# KiCad board MAXI030.kicad_pcb (continued)
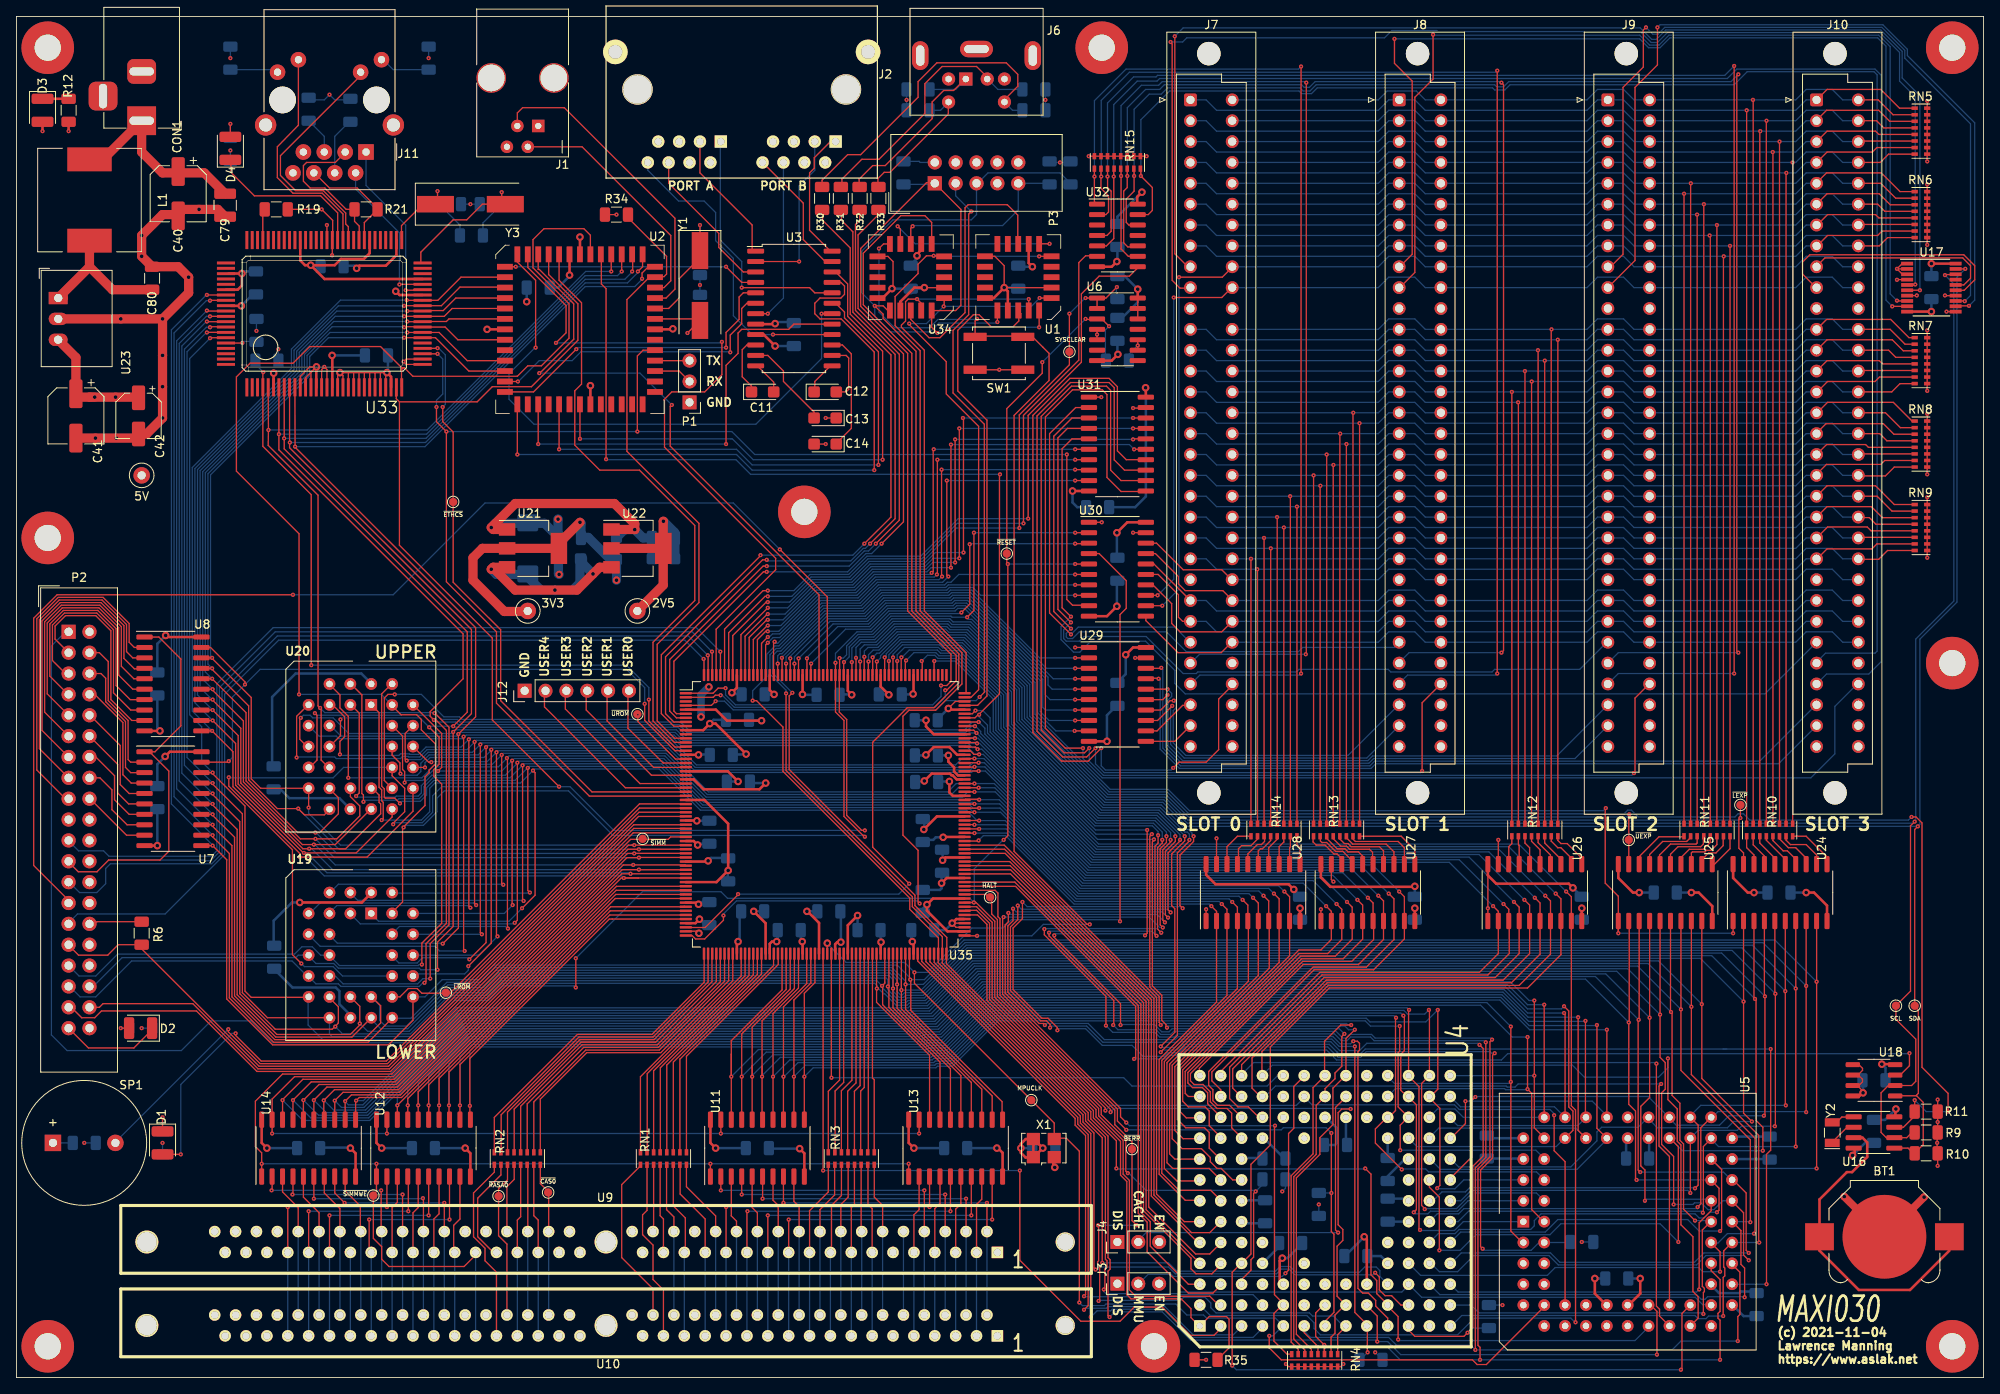
[diagram p0: board, top side]
## Footprints (pads in the part's own frame, mm; a bottom-side part is the same pattern mirrored in y, then rotated) (continued)
PLCC-52
  rect 0.7x1.925 smd: 1(0,9.133) 2(-1.27,9.133) 3(-2.54,9.133) 4(-3.81,9.133) 5(-5.08,9.133) 6(-6.35,9.133) 7(-7.62,9.133) 21(-7.62,-9.133) 22(-6.35,-9.133) 23(-5.08,-9.133) 24(-3.81,-9.133) 25(-2.54,-9.133) 26(-1.27,-9.133) 27(0,-9.133) 28(1.27,-9.133) 29(2.54,-9.133) 30(3.81,-9.133) 31(5.08,-9.133) 32(6.35,-9.133) 33(7.62,-9.133) 47(7.62,9.133) 48(6.35,9.133) 49(5.08,9.133) 50(3.81,9.133) 51(2.54,9.133) 52(1.27,9.133)
  rect 1.925x0.7 smd: 8(-9.133,7.62) 9(-9.133,6.35) 10(-9.133,5.08) 11(-9.133,3.81) 12(-9.133,2.54) 13(-9.133,1.27) 14(-9.133,0) 15(-9.133,-1.27) 16(-9.133,-2.54) 17(-9.133,-3.81) 18(-9.133,-5.08) 19(-9.133,-6.35) 20(-9.133,-7.62) 34(9.133,-7.62) 35(9.133,-6.35) 36(9.133,-5.08) 37(9.133,-3.81) 38(9.133,-2.54) 39(9.133,-1.27) 40(9.133,0) 41(9.133,1.27) 42(9.133,2.54) 43(9.133,3.81) 44(9.133,5.08) 45(9.133,6.35) 46(9.133,7.62)
PLCC-68_THT-Socket
  rect 1.422x1.422 hole 0.8: 1(0,0)
  round 1.422 hole 0.8: 2(0,-2.54) 3(-2.54,0) 4(-2.54,-2.54) 5(-5.08,0) 6(-5.08,-2.54) 7(-7.62,0) 8(-7.62,-2.54) 9(-10.16,0) 10(-12.7,-2.54) 11(-10.16,-2.54) 12(-12.7,-5.08) 13(-10.16,-5.08) 14(-12.7,-7.62) 15(-10.16,-7.62) 16(-12.7,-10.16) 17(-10.16,-10.16) 18(-12.7,-12.7) 19(-10.16,-12.7) 20(-12.7,-15.24) 21(-10.16,-15.24) 22(-12.7,-17.78) 23(-10.16,-17.78) 24(-12.7,-20.32) 25(-10.16,-20.32) 26(-12.7,-22.86) 27(-10.16,-25.4) 28(-10.16,-22.86) 29(-7.62,-25.4) 30(-7.62,-22.86) 31(-5.08,-25.4) 32(-5.08,-22.86) 33(-2.54,-25.4) 34(-2.54,-22.86) 35(0,-25.4) 36(0,-22.86) 37(2.54,-25.4) 38(2.54,-22.86) 39(5.08,-25.4) 40(5.08,-22.86) 41(7.62,-25.4) 42(7.62,-22.86) 43(10.16,-25.4) 44(12.7,-22.86) 45(10.16,-22.86) 46(12.7,-20.32) 47(10.16,-20.32) 48(12.7,-17.78) 49(10.16,-17.78) 50(12.7,-15.24) 51(10.16,-15.24) 52(12.7,-12.7) 53(10.16,-12.7) 54(12.7,-10.16) 55(10.16,-10.16) 56(12.7,-7.62) 57(10.16,-7.62) 58(12.7,-5.08) 59(10.16,-5.08) 60(12.7,-2.54) 61(10.16,0) 62(10.16,-2.54) 63(7.62,0) 64(7.62,-2.54) 65(5.08,0) 66(5.08,-2.54) 67(2.54,0) 68(2.54,-2.54)
PQFP-240_32.1x32.1mm_P0.5mm
  rrect 1.475x0.3 smd: 1(-16.962,14.75) 2(-16.962,14.25) 3(-16.962,13.75) 4(-16.962,13.25) 5(-16.962,12.75) 6(-16.962,12.25) 7(-16.962,11.75) 8(-16.962,11.25) 9(-16.962,10.75) 10(-16.962,10.25) 11(-16.962,9.75) 12(-16.962,9.25) 13(-16.962,8.75) 14(-16.962,8.25) 15(-16.962,7.75) 16(-16.962,7.25) 17(-16.962,6.75) 18(-16.962,6.25) 19(-16.962,5.75) 20(-16.962,5.25) 21(-16.962,4.75) 22(-16.962,4.25) 23(-16.962,3.75) 24(-16.962,3.25) 25(-16.962,2.75) 26(-16.962,2.25) 27(-16.962,1.75) 28(-16.962,1.25) 29(-16.962,0.75) 30(-16.962,0.25) 31(-16.962,-0.25) 32(-16.962,-0.75) 33(-16.962,-1.25) 34(-16.962,-1.75) 35(-16.962,-2.25) 36(-16.962,-2.75) 37(-16.962,-3.25) 38(-16.962,-3.75) 39(-16.962,-4.25) 40(-16.962,-4.75) 41(-16.962,-5.25) 42(-16.962,-5.75) 43(-16.962,-6.25) 44(-16.962,-6.75) 45(-16.962,-7.25) 46(-16.962,-7.75) 47(-16.962,-8.25) 48(-16.962,-8.75) 49(-16.962,-9.25) 50(-16.962,-9.75) 51(-16.962,-10.25) 52(-16.962,-10.75) 53(-16.962,-11.25) 54(-16.962,-11.75) 55(-16.962,-12.25) 56(-16.962,-12.75) 57(-16.962,-13.25) 58(-16.962,-13.75) 59(-16.962,-14.25) 60(-16.962,-14.75) 121(16.962,-14.75) 122(16.962,-14.25) 123(16.962,-13.75) 124(16.962,-13.25) 125(16.962,-12.75) 126(16.962,-12.25) 127(16.962,-11.75) 128(16.962,-11.25) 129(16.962,-10.75) 130(16.962,-10.25) 131(16.962,-9.75) 132(16.962,-9.25) 133(16.962,-8.75) 134(16.962,-8.25) 135(16.962,-7.75) 136(16.962,-7.25) 137(16.962,-6.75) 138(16.962,-6.25) 139(16.962,-5.75) 140(16.962,-5.25) 141(16.962,-4.75) 142(16.962,-4.25) 143(16.962,-3.75) 144(16.962,-3.25) 145(16.962,-2.75) 146(16.962,-2.25) 147(16.962,-1.75) 148(16.962,-1.25) 149(16.962,-0.75) 150(16.962,-0.25) 151(16.962,0.25) 152(16.962,0.75) 153(16.962,1.25) 154(16.962,1.75) 155(16.962,2.25) 156(16.962,2.75) 157(16.962,3.25) 158(16.962,3.75) 159(16.962,4.25) 160(16.962,4.75) 161(16.962,5.25) 162(16.962,5.75) 163(16.962,6.25) 164(16.962,6.75) 165(16.962,7.25) 166(16.962,7.75) 167(16.962,8.25) 168(16.962,8.75) 169(16.962,9.25) 170(16.962,9.75) 171(16.962,10.25) 172(16.962,10.75) 173(16.962,11.25) 174(16.962,11.75) 175(16.962,12.25) 176(16.962,12.75) 177(16.962,13.25) 178(16.962,13.75) 179(16.962,14.25) 180(16.962,14.75)
  rrect 0.3x1.475 smd: 61(-14.75,-16.962) 62(-14.25,-16.962) 63(-13.75,-16.962) 64(-13.25,-16.962) 65(-12.75,-16.962) 66(-12.25,-16.962) 67(-11.75,-16.962) 68(-11.25,-16.962) 69(-10.75,-16.962) 70(-10.25,-16.962) 71(-9.75,-16.962) 72(-9.25,-16.962) 73(-8.75,-16.962) 74(-8.25,-16.962) 75(-7.75,-16.962) 76(-7.25,-16.962) 77(-6.75,-16.962) 78(-6.25,-16.962) 79(-5.75,-16.962) 80(-5.25,-16.962) 81(-4.75,-16.962) 82(-4.25,-16.962) 83(-3.75,-16.962) 84(-3.25,-16.962) 85(-2.75,-16.962) 86(-2.25,-16.962) 87(-1.75,-16.962) 88(-1.25,-16.962) 89(-0.75,-16.962) 90(-0.25,-16.962) 91(0.25,-16.962) 92(0.75,-16.962) 93(1.25,-16.962) 94(1.75,-16.962) 95(2.25,-16.962) 96(2.75,-16.962) 97(3.25,-16.962) 98(3.75,-16.962) 99(4.25,-16.962) 100(4.75,-16.962) 101(5.25,-16.962) 102(5.75,-16.962) 103(6.25,-16.962) 104(6.75,-16.962) 105(7.25,-16.962) 106(7.75,-16.962) 107(8.25,-16.962) 108(8.75,-16.962) 109(9.25,-16.962) 110(9.75,-16.962) 111(10.25,-16.962) 112(10.75,-16.962) 113(11.25,-16.962) 114(11.75,-16.962) 115(12.25,-16.962) 116(12.75,-16.962) 117(13.25,-16.962) 118(13.75,-16.962) 119(14.25,-16.962) 120(14.75,-16.962) 181(14.75,16.962) 182(14.25,16.962) 183(13.75,16.962) 184(13.25,16.962) 185(12.75,16.962) 186(12.25,16.962) 187(11.75,16.962) 188(11.25,16.962) 189(10.75,16.962) 190(10.25,16.962) 191(9.75,16.962) 192(9.25,16.962) 193(8.75,16.962) 194(8.25,16.962) 195(7.75,16.962) 196(7.25,16.962) 197(6.75,16.962) 198(6.25,16.962) 199(5.75,16.962) 200(5.25,16.962) 201(4.75,16.962) 202(4.25,16.962) 203(3.75,16.962) 204(3.25,16.962) 205(2.75,16.962) 206(2.25,16.962) 207(1.75,16.962) 208(1.25,16.962) 209(0.75,16.962) 210(0.25,16.962) 211(-0.25,16.962) 212(-0.75,16.962) 213(-1.25,16.962) 214(-1.75,16.962) 215(-2.25,16.962) 216(-2.75,16.962) 217(-3.25,16.962) 218(-3.75,16.962) 219(-4.25,16.962) 220(-4.75,16.962) 221(-5.25,16.962) 222(-5.75,16.962) 223(-6.25,16.962) 224(-6.75,16.962) 225(-7.25,16.962) 226(-7.75,16.962) 227(-8.25,16.962) 228(-8.75,16.962) 229(-9.25,16.962) 230(-9.75,16.962) 231(-10.25,16.962) 232(-10.75,16.962) 233(-11.25,16.962) 234(-11.75,16.962) 235(-12.25,16.962) 236(-12.75,16.962) 237(-13.25,16.962) 238(-13.75,16.962) 239(-14.25,16.962) 240(-14.75,16.962)
R_1206_3216Metric
  rrect 1.25x1.75 smd: 1(-1.4,0) 2(1.4,0)
R_Cat16-8
  rect 0.76x0.43 smd: 1(-0.76,2.8) 2(-0.76,2) 3(-0.76,1.2) 4(-0.76,0.4) 5(-0.76,-0.4) 6(-0.76,-1.2) 7(-0.76,-2) 8(-0.76,-2.8) 9(0.76,-2.8) 10(0.76,-2) 11(0.76,-1.2) 12(0.76,-0.4) 13(0.76,0.4) 14(0.76,1.2) 15(0.76,2) 16(0.76,2.8)
RJ10
  round 3.6 hole 3.25 unplated: (-0.635,-8.382) (6.985,-8.382)
  rect 1.52x1.52 hole 0.76: 1(1.27,-2.54)
  round 1.52 hole 0.76: 2(2.54,0) 3(3.81,-2.54) 4(5.08,0)
RJ45_Amphenol_RJMG1BD3B8K1ANR
  round 3.25 hole 3.25 unplated: (-1.27,-6.34) (10.16,-6.34)
  round 2.6 hole 1.6: 13(-3.33,-3.29) 13(12.22,-3.29)
  round 1.89 hole 0.89: L1(10.77,-9.72) L2(8.23,-11.24) L3(0.66,-9.72) L4(-1.88,-11.24)
  rect 1.9x1.9 hole 0.9: R1(0,0)
  round 1.9 hole 0.9: R2(1.27,2.54) R3(2.54,0) R4(3.81,2.54) R5(5.08,0) R6(6.35,2.54) R7(7.62,0) R8(8.89,2.54)
RTL8019AS
  rect 0.35x2.2 smd: 1(-9.425,-8.965) 2(-8.775,-8.965) 3(-8.125,-8.965) 4(-7.475,-8.965) 5(-6.825,-8.965) 6(-6.175,-8.965) 7(-5.525,-8.965) 8(-4.875,-8.965) 9(-4.225,-8.965) 10(-3.575,-8.965) 11(-2.925,-8.965) 12(-2.275,-8.965) 13(-1.625,-8.965) 14(-0.975,-8.965) 15(-0.325,-8.965) 16(0.325,-8.965) 17(0.975,-8.965) 18(1.625,-8.965) 19(2.275,-8.965) 20(2.925,-8.965) 21(3.575,-8.965) 22(4.225,-8.965) 23(4.875,-8.965) 24(5.525,-8.965) 25(6.175,-8.965) 26(6.825,-8.965) 27(7.475,-8.965) 28(8.125,-8.965) 29(8.775,-8.965) 30(9.425,-8.965) 51(9.425,8.965) 52(8.775,8.965) 53(8.125,8.965) 54(7.475,8.965) 55(6.825,8.965) 56(6.175,8.965) 57(5.525,8.965) 58(4.875,8.965) 59(4.225,8.965) 60(3.575,8.965) 61(2.925,8.965) 62(2.275,8.965) 63(1.625,8.965) 64(0.975,8.965) 65(0.325,8.965) 66(-0.325,8.965) 67(-0.975,8.965) 68(-1.625,8.965) 69(-2.275,8.965) 70(-2.925,8.965) 71(-3.575,8.965) 72(-4.225,8.965) 73(-4.875,8.965) 74(-5.525,8.965) 75(-6.175,8.965) 76(-6.825,8.965) 77(-7.475,8.965) 78(-8.125,8.965) 79(-8.775,8.965) 80(-9.425,8.965)
  rect 2.2x0.35 smd: 31(11.965,-6.175) 32(11.965,-5.525) 33(11.965,-4.875) 34(11.965,-4.225) 35(11.965,-3.575) 36(11.965,-2.925) 37(11.965,-2.275) 38(11.965,-1.625) 39(11.965,-0.975) 40(11.965,-0.325) 41(11.965,0.325) 42(11.965,0.975) 43(11.965,1.625) 44(11.965,2.275) 45(11.965,2.925) 46(11.965,3.575) 47(11.965,4.225) 48(11.965,4.875) 49(11.965,5.525) 50(11.965,6.175) 81(-11.965,6.175) 82(-11.965,5.525) 83(-11.965,4.875) 84(-11.965,4.225) 85(-11.965,3.575) 86(-11.965,2.925) 87(-11.965,2.275) 88(-11.965,1.625) 89(-11.965,0.975) 90(-11.965,0.325) 91(-11.965,-0.325) 92(-11.965,-0.975) 93(-11.965,-1.625) 94(-11.965,-2.275) 95(-11.965,-2.925) 96(-11.965,-3.575) 97(-11.965,-4.225) 98(-11.965,-4.875) 99(-11.965,-5.525) 100(-11.965,-6.175)
SIMM72Pins
  rect 1.397x1.397 hole 0.914: 1(47.625,-1.27)
  round 1.397 hole 0.914: 2(46.355,1.27) 3(45.085,-1.27) 4(43.815,1.27) 5(42.545,-1.27) 6(41.275,1.27) 7(40.005,-1.27) 8(38.735,1.27) 9(37.465,-1.27) 10(36.195,1.27) 11(34.925,-1.27) 12(33.655,1.27) 13(32.385,-1.27) 14(31.115,1.27) 15(29.845,-1.27) 16(28.575,1.27) 17(27.305,-1.27) 18(26.035,1.27) 19(24.765,-1.27) 20(23.495,1.27) 21(22.225,-1.27) 22(20.955,1.27) 23(19.685,-1.27) 24(18.415,1.27) 25(17.145,-1.27) 26(15.875,1.27) 27(14.605,-1.27) 28(13.335,1.27) 29(12.065,-1.27) 30(10.795,1.27) 31(9.525,-1.27) 32(8.255,1.27) 33(6.985,-1.27) 34(5.715,1.27) 35(4.445,-1.27) 36(3.175,1.27) 37(-3.175,-1.27) 38(-4.445,1.27) 39(-5.715,-1.27) 40(-6.985,1.27) 41(-8.255,-1.27) 42(-9.525,1.27) 43(-10.795,-1.27) 44(-12.065,1.27) 45(-13.335,-1.27) 46(-14.605,1.27) 47(-15.875,-1.27) 48(-17.145,1.27) 49(-18.415,-1.27) 50(-19.685,1.27) 51(-20.955,-1.27) 52(-22.225,1.27) 53(-23.495,-1.27) 54(-24.765,1.27) 55(-26.035,-1.27) 56(-27.305,1.27) 57(-28.575,-1.27) 58(-29.845,1.27) 59(-31.115,-1.27) 60(-32.385,1.27) 61(-33.655,-1.27) 62(-34.925,1.27) 63(-36.195,-1.27) 64(-37.465,1.27) 65(-38.735,-1.27) 66(-40.005,1.27) 67(-41.275,-1.27) 68(-42.545,1.27) 69(-43.815,-1.27) 70(-45.085,1.27) 71(-46.355,-1.27) 72(-47.625,1.27)
  round 2.794 hole 2.438: ctr(0,0) lg(-55.88,0)
  round 2.337 hole 2.032: sm(55.88,0)
SO-8_3.9x4.9mm_P1.27mm
  rrect 1.75x0.6 smd: 1(-2.575,1.905) 2(-2.575,0.635) 3(-2.575,-0.635) 4(-2.575,-1.905) 5(2.575,-1.905) 6(2.575,-0.635) 7(2.575,0.635) 8(2.575,1.905)
SO-20_5.3x12.6mm_P1.27mm
  rrect 1.975x0.6 smd: 1(-3.462,5.715) 2(-3.462,4.445) 3(-3.462,3.175) 4(-3.462,1.905) 5(-3.462,0.635) 6(-3.462,-0.635) 7(-3.462,-1.905) 8(-3.462,-3.175) 9(-3.462,-4.445) 10(-3.462,-5.715) 11(3.462,-5.715) 12(3.462,-4.445) 13(3.462,-3.175) 14(3.462,-1.905) 15(3.462,-0.635) 16(3.462,0.635) 17(3.462,1.905) 18(3.462,3.175) 19(3.462,4.445) 20(3.462,5.715)
SOIC-8_3.9x4.9mm_P1.27mm
  rrect 1.95x0.6 smd: 1(-2.475,1.905) 2(-2.475,0.635) 3(-2.475,-0.635) 4(-2.475,-1.905) 5(2.475,-1.905) 6(2.475,-0.635) 7(2.475,0.635) 8(2.475,1.905)
SOIC-14_3.9x8.7mm_P1.27mm
  rrect 1.95x0.6 smd: 1(-2.475,3.81) 2(-2.475,2.54) 3(-2.475,1.27) 4(-2.475,0) 5(-2.475,-1.27) 6(-2.475,-2.54) 7(-2.475,-3.81) 8(2.475,-3.81) 9(2.475,-2.54) 10(2.475,-1.27) 11(2.475,0) 12(2.475,1.27) 13(2.475,2.54) 14(2.475,3.81)
SOIC-24W_7.5x15.4mm_P1.27mm
  rrect 2.05x0.6 smd: 1(-4.65,6.985) 2(-4.65,5.715) 3(-4.65,4.445) 4(-4.65,3.175) 5(-4.65,1.905) 6(-4.65,0.635) 7(-4.65,-0.635) 8(-4.65,-1.905) 9(-4.65,-3.175) 10(-4.65,-4.445) 11(-4.65,-5.715) 12(-4.65,-6.985) 13(4.65,-6.985) 14(4.65,-5.715) 15(4.65,-4.445) 16(4.65,-3.175) 17(4.65,-1.905) 18(4.65,-0.635) 19(4.65,0.635) 20(4.65,1.905) 21(4.65,3.175) 22(4.65,4.445) 23(4.65,5.715) 24(4.65,6.985)
SOT-223-3_TabPin2
  rect 2x1.5 smd: 1(-3.15,2.3) 2(-3.15,0) 3(-3.15,-2.3)
  rect 2x3.8 smd: 2(3.15,0)
SW_Push_1P1T_NO_CK_KSC6xxJ
  rect 2.8x1 smd: 1(-2.9,2) 1(2.9,2) 2(-2.9,-2) 2(2.9,-2)
TestPoint_Loop_D1.80mm_Drill1.0mm_Beaded
  round 2 hole 1: 1(0,0)
TestPoint_Pad_D1.0mm
  round 1 smd: 1(0,0)
TSSOP-20_4.4x6.5mm_P0.65mm
  rect 1.45x0.45 smd: 1(-2.95,2.925) 2(-2.95,2.275) 3(-2.95,1.625) 4(-2.95,0.975) 5(-2.95,0.325) 6(-2.95,-0.325) 7(-2.95,-0.975) 8(-2.95,-1.625) 9(-2.95,-2.275) 10(-2.95,-2.925) 11(2.95,-2.925) 12(2.95,-2.275) 13(2.95,-1.625) 14(2.95,-0.975) 15(2.95,-0.325) 16(2.95,0.325) 17(2.95,0.975) 18(2.95,1.625) 19(2.95,2.275) 20(2.95,2.925)

## Nets
+2V5: C1.1 C3.1 C5.1 C7.1 C38.1 C39.1 C53.1 C62.1 C64.1 C66.1 C68.1 C70.1 TP2.1 U22.2 U35.5 U35.20 U35.27 U35.47 U35.76 U35.89 U35.96 U35.122 U35.130 U35.150 U35.159 U35.170
+3V3: C2.1 C4.1 C6.1 C8.1 C35.1 C36.1 C54.1 C61.1 C63.1 C65.1 C67.1 C69.1 C71.1 C78.1 P3.4 R26.1 R27.1 TP1.1 U1.5 U1.14 U1.18 U1.20 U21.2 U34.5 U34.14 U34.18 U34.20 U35.16 U35.37 U35.57 U35.59 U35.77 U35.112 U35.140 U35.160 U35.189 U35.205 U35.224
+5VD: C13.1 C15.1 C16.1 C17.1 C18.1 C19.1 C20.1 C21.1 C22.1 C23.1 C24.1 C25.1 C26.1 C27.1 C28.1 C29.1 C30.1 C31.1 C32.1 C33.1 C34.1 C37.1 C41.1 C42.1 C43.1 C44.1 C45.1 C46.1 C47.1 C48.1 C49.1 C50.1 C51.1 C52.1 C55.1 C56.1 C72.1 C73.1 C74.1 C75.1 C76.1 C77.1 C81.1 C82.1 D3.2 J1.1 J3.1 J4.1 J6.4 J7.c11 J7.c32 J8.c11 J8.c32 J9.c11 J9.c32 J10.c11 J10.c32 P2.20 R1.1 R4.1 R5.2 R7.1 R8.1 R9.1 R10.1 R11.1 R13.2 R14.2 R15.2 R16.2 R22.1 R23.2 R24.2 R28.1 R29.1 R34.2 R35.1 R36.1 RN4.9 RN4.10 RN4.11 RN4.12 RN4.13 RN4.14 RN4.15 RN4.16 RN5.9 RN5.10 RN5.11 RN5.12 RN5.13 RN5.14 RN5.15 RN5.16 RN6.9 RN6.10 RN6.11 RN6.12 RN6.13 RN6.14 RN6.15 RN6.16 RN7.9 RN7.10 RN7.11 RN7.12 RN7.13 RN7.14 RN7.15 RN7.16 RN8.9 RN8.10 RN8.11 RN8.12 RN8.13 RN8.14 RN8.15 RN8.16 RN9.9 RN9.10 RN9.11 RN9.12 RN9.13 RN9.14 RN9.15 RN9.16 RN15.9 RN15.10 RN15.11 RN15.12 RN15.13 RN15.14 RN15.15 RN15.16 TP3.1 U2.2 U3.9 U4.C6 U4.D4 U4.D10 U4.F2 U4.F11 U4.H3 U4.H11 U4.K4 U4.K10 U4.L6 U5.10 U5.16 U5.17 U5.18 U5.26 U5.27 U5.43 U5.52 U5.53 U5.61 U6.4 U6.5 U6.9 U6.10 U6.12 U6.13 U6.14 U7.20 U8.20 U9.10 U9.30 U9.59 U10.10 U10.30 U10.59 U11.20 U12.20 U13.20 U14.20 U16.5 U16.6 U16.7 U16.8 U17.4 U17.7 U17.11 U17.14 U17.20 U18.8 U19.32 U20.32 U21.3 U22.3 U23.3 U24.20 U25.20 U26.1 U26.20 U27.1 U27.20 U28.1 U28.20 U29.1 U29.20 U30.1 U30.20 U31.1 U31.20 U32.14 U33.6 U33.15 U33.16 U33.17 U33.31 U33.32 U33.47 U33.57 U33.65 U33.70 U33.89 X1.1 X1.4
GNDA: BT1.2 C1.2 C2.2 C3.2 C4.2 C5.2 C6.2 C7.2 C8.2 C9.2 C10.2 C14.2 C15.2 C16.2 C17.2 C18.2 C19.2 C20.2 C21.2 C22.2 C23.2 C24.2 C25.2 C26.2 C27.2 C28.2 C29.2 C30.2 C31.2 C32.2 C33.2 C34.2 C35.2 C36.2 C37.2 C38.2 C39.2 C40.2 C41.2 C42.2 C43.2 C44.2 C45.2 C46.2 C47.2 C48.2 C49.2 C50.2 C51.2 C52.2 C53.2 C54.2 C55.2 C56.2 C57.1 C58.1 C59.2 C60.2 C61.2 C62.2 C63.2 C64.2 C65.2 C66.2 C67.2 C68.2 C69.2 C70.2 C71.2 C72.2 C73.2 C74.2 C75.2 C76.2 C77.2 C78.2 C79.2 C80.2 C81.2 C82.2 CON1.2 CON1.3 H1.1 H2.1 H3.1 H4.1 H5.1 H6.1 H7.1 H8.1 H9.1 J1.4 J2.A4 J2.A5 J2.B4 J2.B5 J2.GND J3.3 J4.3 J6.3 J7.a11 J7.a32 J8.a11 J8.a32 J9.a11 J9.a32 J10.a11 J10.a32 J11.13 J11.R8 J12.1 P1.1 P2.2 P2.19 P2.22 P2.24 P2.26 P2.30 P2.40 P3.2 P3.10 R2.1 R3.1 R6.1 R12.2 R17.1 R19.1 R20.1 R25.2 SW1.2 U1.10 U2.1 U2.14 U2.28 U2.40 U3.8 U4.C5 U4.C7 U4.C9 U4.E3 U4.E11 U4.F3 U4.G3 U4.G11 U4.J3 U4.J11 U4.L5 U4.L7 U4.L8 U4.L9 U5.5 U5.6 U5.7 U5.8 U5.9 U5.12 U5.14 U5.19 U5.30 U5.41 U5.51 U5.63 U6.7 U7.10 U8.10 U9.1 U9.39 U9.72 U10.1 U10.39 U10.72 U11.10 U12.10 U13.10 U14.10 U16.4 U17.1 U17.2 U17.3 U17.10 U18.4 U19.16 U20.16 U21.1 U22.1 U23.2 U24.10 U25.10 U26.10 U26.19 U27.10 U27.19 U28.10 U28.19 U29.10 U29.19 U30.10 U30.19 U31.10 U31.19 U32.7 U33.11 U33.12 U33.13 U33.14 U33.18 U33.19 U33.20 U33.21 U33.22 U33.23 U33.24 U33.25 U33.26 U33.27 U33.28 U33.44 U33.52 U33.64 U33.83 U33.86 U34.10 U35.10 U35.22 U35.32 U35.42 U35.52 U35.69 U35.85 U35.93 U35.104 U35.123 U35.124 U35.125 U35.135 U35.145 U35.155 U35.165 U35.176 U35.178 U35.197 U35.216 U35.232 X1.2
/FPGA/USER0: J12.6 U35.18
/FPGA/USER1: J12.5 U35.19
/FPGA/USER2: J12.4 U35.21
/FPGA/USER3: J12.3 U35.23
/FPGA/USER4: J12.2 U35.24
/IDE/IDED0: P2.4 U7.2
/IDE/IDED1: P2.6 U7.3
/IDE/IDED2: P2.8 U7.4
/IDE/IDED3: P2.10 U7.5
/IDE/IDED4: P2.12 U7.6
/IDE/IDED5: P2.14 U7.7
/IDE/IDED6: P2.16 U7.8
/IDE/IDED7: P2.18 U7.9
/IDE/IDED8: P2.17 U8.2
/IDE/IDED9: P2.15 U8.3
/IDE/IDED10: P2.13 U8.4
/IDE/IDED11: P2.11 U8.5
/IDE/IDED12: P2.9 U8.6
/IDE/IDED13: P2.7 U8.7
/IDE/IDED14: P2.5 U8.8
/IDE/IDED15: P2.3 U8.9
/SIMM/SD0: U9.2 U10.2 U11.8
/SIMM/SD1: U9.4 U10.4 U11.6
/SIMM/SD2: U9.6 U10.6 U11.4
/SIMM/SD3: U9.8 U10.8 U11.2
/SIMM/SD4: U9.20 U10.20 U11.9
/SIMM/SD5: U9.22 U10.22 U11.7
/SIMM/SD6: U9.24 U10.24 U11.5
/SIMM/SD7: U9.26 U10.26 U11.3
/SIMM/SD8: U9.49 U10.49 U12.9
/SIMM/SD9: U9.51 U10.51 U12.7
/SIMM/SD10: U9.53 U10.53 U12.5
/SIMM/SD11: U9.55 U10.55 U12.3
/SIMM/SD12: U9.57 U10.57 U12.8
/SIMM/SD13: U9.61 U10.61 U12.6
/SIMM/SD14: U9.63 U10.63 U12.4
/SIMM/SD15: U9.65 U10.65 U12.2
/SIMM/SD16: U9.3 U10.3 U13.8
/SIMM/SD17: U9.5 U10.5 U13.6
/SIMM/SD18: U9.7 U10.7 U13.4
/SIMM/SD19: U9.9 U10.9 U13.2
/SIMM/SD20: U9.21 U10.21 U13.9
/SIMM/SD21: U9.23 U10.23 U13.7
/SIMM/SD22: U9.25 U10.25 U13.5
/SIMM/SD23: U9.27 U10.27 U13.3
/SIMM/SD24: U9.50 U10.50 U14.8
/SIMM/SD25: U9.52 U10.52 U14.6
/SIMM/SD26: U9.54 U10.54 U14.4
/SIMM/SD27: U9.56 U10.56 U14.2
/SIMM/SD28: U9.58 U10.58 U14.9
/SIMM/SD29: U9.60 U10.60 U14.7
/SIMM/SD30: U9.62 U10.62 U14.5
/SIMM/SD31: U9.64 U10.64 U14.3
A0: U2.51 U4.A2 U26.9 U35.174
A1: U2.50 U4.C4 U5.25 U19.12 U20.12 U26.8 U33.5 U35.173
A2: P2.35 U2.49 U4.D13 U5.24 U19.11 U20.11 U26.7 U33.7 U35.172
A3: P2.33 U2.48 U4.D12 U5.23 U19.10 U20.10 U26.6 U33.8 U35.171
A4: P2.36 U2.47 U4.C13 U5.22 U19.9 U20.9 U26.5 U33.9 U35.169
A5: U2.46 U4.C12 U19.8 U20.8 U26.4 U33.10 U35.168
A6: U4.D11 U19.7 U20.7 U26.3 U35.167
A7: U4.B13 U19.6 U20.6 U26.2 U35.166
A8: U4.B12 U19.5 U20.5 U27.9 U35.164
A9: U4.C11 U19.27 U20.27 U27.8 U35.163
A10: U4.A13 U19.26 U20.26 U27.7 U35.162
A11: U4.C10 U19.23 U20.23 U27.6 U35.161
A12: U4.B11 U19.25 U20.25 U27.5 U35.158
A13: U4.A12 U19.4 U20.4 U27.4 U35.157
A14: U4.B10 U19.28 U20.28 U27.3 U35.156
A15: U4.A11 U19.29 U20.29 U27.2 U35.154
A16: U4.B9 U19.3 U20.3 U28.9 U35.153
A17: U4.A10 U19.2 U20.2 U28.8 U35.152
A18: U4.C8 U19.30 U20.30 U28.7 U35.151
A19: U4.A9 U19.1 U20.1 U28.6 U35.149
A20: U4.B8 U28.5 U35.148
A21: U4.A8 U28.4 U35.147
A22: U4.B7 U28.3 U35.146
A23: U4.A7 U28.2 U35.144
A24: U4.A6 U35.143
A25: U4.B6 U35.142
A26: U4.A5 U35.141
A27: U4.B5 U35.139
A28: U4.A4 U35.138
A29: U4.B4 U35.137
A30: U4.A3 U35.136
A31: U4.B3 U35.134
BUZZER: SP1.2 U35.30
CFCLOCK: U1.4 U34.4 U35.179
CFCONFIG: SW1.1 U34.13 U35.121
CFDATA: U1.2 U34.2 U35.180
CFDONE: U34.9 U35.2
CFSTATUS: U1.8 U34.8 U35.60
CFTOCORE: U1.1 U35.177
CORETOHEADER: P3.3 U35.4
CTSA232: J2.A8 U3.23
CTSB232: J2.B8 U3.16
D0: U4.K13 U5.3 U11.18 U35.80
D1: U4.K12 U5.2 U11.17 U35.81
D2: U4.L13 U5.1 U11.16 U35.82
D3: U4.M13 U5.68 U11.15 U35.83
D4: U4.L12 U5.67 U11.14 U35.84
D5: U4.K11 U5.66 U11.13 U35.86
D6: U4.M12 U5.65 U11.12 U35.87
D7: U4.L11 U5.64 U11.11 U35.88
D8: U4.N13 U5.62 U12.18 U35.48
D9: U4.M11 U5.60 U12.17 U35.49
D10: U4.L10 U5.59 U12.16 U35.50
D11: U4.N12 U5.58 U12.15 U35.51
D12: U4.M10 U5.57 U12.14 U35.53
D13: U4.N11 U5.56 U12.13 U35.54
D14: U4.M9 U5.55 U12.12 U35.55
D15: U4.N10 U5.54 U12.11 U35.56
D16: U4.N9 U5.50 U7.18 U13.18 U19.13 U24.2 U33.95 U35.103
D17: U4.M8 U5.49 U7.17 U13.17 U19.14 U24.3 U33.94 U35.105
D18: U4.N8 U5.48 U7.16 U13.16 U19.15 U24.4 U33.93 U35.106
D19: U4.N7 U5.47 U7.15 U13.15 U19.17 U24.5 U33.92 U35.107
D20: U4.M7 U5.46 U7.14 U13.14 U19.18 U24.6 U33.91 U35.108
D21: U4.N6 U5.45 U7.13 U13.13 U19.19 U24.7 U33.90 U35.109
D22: U4.M6 U5.44 U7.12 U13.12 U19.20 U24.8 U33.88 U35.110
D23: U4.N5 U5.42 U7.11 U13.11 U19.21 U24.9 U33.87 U35.111
D24: U2.18 U4.M5 U5.40 U8.18 U14.18 U20.13 U25.2 U33.36 U35.38
D25: U2.17 U4.N4 U5.39 U8.17 U14.17 U20.14 U25.3 U33.37 U35.39
D26: U2.15 U4.N3 U5.38 U8.16 U14.16 U20.15 U25.4 U33.38 U35.40
D27: U2.13 U4.M4 U5.37 U8.15 U14.15 U20.17 U25.5 U33.39 U35.41
D28: U2.12 U4.N2 U5.36 U8.14 U14.14 U20.18 U25.6 U33.40 U35.43
D29: U2.11 U4.M3 U5.35 U8.13 U14.13 U20.19 U25.7 U33.41 U35.44
D30: U2.10 U4.L4 U5.34 U8.12 U14.12 U20.20 U25.8 U33.42 U35.45
D31: U2.9 U4.N1 U5.33 U8.11 U14.11 U20.21 U25.9 U33.43 U35.46
ETHINT: R20.2 U33.4 U35.14
EXPA0: J7.a12 J8.a12 J9.a12 J10.a12 RN7.1 RN12.9
EXPA1: J7.c12 J8.c12 J9.c12 J10.c12 RN7.2 RN12.10
EXPA2: J7.a13 J8.a13 J9.a13 J10.a13 RN7.3 RN12.11
EXPA3: J7.c13 J8.c13 J9.c13 J10.c13 RN7.4 RN12.12
EXPA4: J7.a14 J8.a14 J9.a14 J10.a14 RN7.5 RN12.13
EXPA5: J7.c14 J8.c14 J9.c14 J10.c14 RN7.6 RN12.14
EXPA6: J7.a15 J8.a15 J9.a15 J10.a15 RN7.7 RN12.15
EXPA7: J7.c15 J8.c15 J9.c15 J10.c15 RN7.8 RN12.16
EXPA8: J7.a16 J8.a16 J9.a16 J10.a16 RN8.1 RN13.9
EXPA9: J7.c16 J8.c16 J9.c16 J10.c16 RN8.2 RN13.10
EXPA10: J7.a17 J8.a17 J9.a17 J10.a17 RN8.3 RN13.11
EXPA11: J7.c17 J8.c17 J9.c17 J10.c17 RN8.4 RN13.12
EXPA12: J7.a18 J8.a18 J9.a18 J10.a18 RN8.5 RN13.13
EXPA13: J7.c18 J8.c18 J9.c18 J10.c18 RN8.6 RN13.14
EXPA14: J7.a19 J8.a19 J9.a19 J10.a19 RN8.7 RN13.15
EXPA15: J7.c19 J8.c19 J9.c19 J10.c19 RN8.8 RN13.16
EXPA16: J7.a20 J8.a20 J9.a20 J10.a20 RN9.1 RN14.9
EXPA17: J7.c20 J8.c20 J9.c20 J10.c20 RN9.2 RN14.10
EXPA18: J7.a21 J8.a21 J9.a21 J10.a21 RN9.3 RN14.11
EXPA19: J7.c21 J8.c21 J9.c21 J10.c21 RN9.4 RN14.12
EXPA20: J7.a22 J8.a22 J9.a22 J10.a22 RN9.5 RN14.13
EXPA21: J7.c22 J8.c22 J9.c22 J10.c22 RN9.6 RN14.14
EXPA22: J7.a23 J8.a23 J9.a23 J10.a23 RN9.7 RN14.15
EXPA23: J7.c23 J8.c23 J9.c23 J10.c23 RN9.8 RN14.16
EXPD16: J7.a1 J8.a1 J9.a1 J10.a1 RN5.1 RN10.16
EXPD17: J7.c1 J8.c1 J9.c1 J10.c1 RN5.2 RN10.15
EXPD18: J7.a2 J8.a2 J9.a2 J10.a2 RN5.3 RN10.14
EXPD19: J7.c2 J8.c2 J9.c2 J10.c2 RN5.4 RN10.13
EXPD20: J7.a3 J8.a3 J9.a3 J10.a3 RN5.5 RN10.12
EXPD21: J7.c3 J8.c3 J9.c3 J10.c3 RN5.6 RN10.11
EXPD22: J7.a4 J8.a4 J9.a4 J10.a4 RN5.7 RN10.10
EXPD23: J7.c4 J8.c4 J9.c4 J10.c4 RN5.8 RN10.9
EXPD24: J7.a5 J8.a5 J9.a5 J10.a5 RN6.1 RN11.16
EXPD25: J7.c5 J8.c5 J9.c5 J10.c5 RN6.2 RN11.15
EXPD26: J7.a6 J8.a6 J9.a6 J10.a6 RN6.3 RN11.14
EXPD27: J7.c6 J8.c6 J9.c6 J10.c6 RN6.4 RN11.13
EXPD28: J7.a7 J8.a7 J9.a7 J10.a7 RN6.5 RN11.12
EXPD29: J7.c7 J8.c7 J9.c7 J10.c7 RN6.6 RN11.11
EXPD30: J7.a8 J8.a8 J9.a8 J10.a8 RN6.7 RN11.10
EXPD31: J7.c8 J8.c8 J9.c8 J10.c8 RN6.8 RN11.9
EXPMPUCLK: J7.a25 J8.a25 J9.a25 J10.a25 U30.16
EXPRESET: J7.c27 J8.c27 J9.c27 J10.c27 U30.11
EXPR~{W}: J7.c26 J8.c26 J9.c26 J10.c26 U30.14
EXPSCLE0: J7.a9 U17.6
EXPSCLE1: J8.a9 U17.9
EXPSCLE2: J9.a9 U17.13
EXPSCLE3: J10.a9 U17.16
EXPSDAE0: J7.a10 U17.5
EXPSDAE1: J8.a10 U17.8
EXPSDAE2: J9.a10 U17.12
EXPSDAE3: J10.a10 U17.15
FC0: U4.D2 U35.113
FC1: U4.C1 U35.114
FC2: U4.D1 U35.115
HEADERTOCF: P3.9 R27.2 U34.11
IDEIRQ: P2.31 R6.2 U35.31
LED: D1.2 U35.29
MPUCLK: TP4.1 U4.E1 U5.11 U30.4 U35.91 X1.3
PS2ACLK: R33.2 U35.6
PS2ADATA: R32.2 U35.7
PS2BCLK: R30.1 U35.9
PS2BDATA: R31.1 U35.8
RESET: U2.38 U30.9 U33.33 U35.26
RTCSQWAVE: R11.2 U18.7 U35.206
RTSA232: J2.A1 U3.24
RTSB232: J2.B1 U3.20
RXA232: J2.A6 U3.7
RXB232: J2.B6 U3.3
R~{W}: U4.L3 U5.28 U30.6 U35.118
SA0: RN3.16 U9.12 U10.12
SA1: RN3.15 U9.13 U10.13
SA2: RN3.14 U9.14 U10.14
SA3: RN3.13 U9.15 U10.15
SA4: RN3.12 U9.16 U10.16
SA5: RN3.11 U9.17 U10.17
SA6: RN3.10 U9.18 U10.18
SA7: RN1.16 U9.28 U10.28
SA8: RN1.14 U9.31 U10.31
SA9: RN1.13 U9.32 U10.32
SA10: RN3.9 U9.19 U10.19
SA11: RN1.15 U9.29 U10.29
SCL: R9.2 TP18.1 U16.2 U17.18 U18.6 U35.202
SDA: R10.2 TP19.1 U16.1 U17.19 U18.5 U35.201
SIZ0: U4.L2 U35.116
SIZ1: U4.K3 U35.117
SYSCLEAR: R1.2 TP10.1 U6.1 U6.2 U35.233
TCK: P3.1 R25.1 U1.3 U34.3 U35.1
TEMPALERT: U16.3 U35.133
TMS: P3.5 R26.2 U1.19 U34.19 U35.58
TXA232: J2.A3 U3.2
TXB232: J2.B3 U3.1
~{AS}: U4.J2 U5.21 U30.7 U35.119
~{AVEC}: RN4.8 U4.E2 U35.194
~{BERRE}: U32.8 U35.235
~{BERR}: RN4.1 TP17.1 U4.H1 U35.132
~{BGACK}: R36.2 U4.C3 U35.128
~{BG}: U4.B2 U35.127
~{BR}: R35.2 U4.A1 U35.126
~{CAS0}: RN2.16 TP7.1 U9.40 U10.40
~{CAS1}: RN2.13 U9.43 U10.43
~{CAS2}: RN2.15 U9.41 U10.41
~{CAS3}: RN2.14 U9.42 U10.42
~{CBACK}: R28.2 U4.J1 U35.196
~{CBREQ}: U4.K1 U35.195
~{CDIS}: J4.2 U4.H12
~{CIIN}: R8.2 U4.L1 U35.198
~{DSACK0}: RN4.4 U4.F1 U5.31 U35.192
~{DSACK1}: RN4.3 U4.G2 U5.32 U35.191
~{DS}: U4.K2 U5.20 U30.8 U35.120
~{ETHCS}: TP15.1 U33.34 U35.25
~{EXPAS}: J7.c10 J8.c10 J9.c10 J10.c10 U30.13
~{EXPBERRE0}: J7.a28 RN15.5 U32.9
~{EXPBERRE1}: J8.a28 RN15.6 U32.10
~{EXPBERRE2}: J9.a28 RN15.7 U32.12
~{EXPBERRE3}: J10.a28 RN15.8 U32.13
~{EXPDS}: J7.c9 J8.c9 J9.c9 J10.c9 U30.12
~{EXPIACKE0}: J7.c29 U31.14
~{EXPIACKE1}: J8.c29 U31.13
~{EXPIACKE2}: J9.c29 U31.12
~{EXPIACKE3}: J10.c29 U31.11
~{EXPINTE0}: J7.a27 U31.2
~{EXPINTE1}: J8.a27 U31.3
~{EXPINTE2}: J9.a27 U31.4
~{EXPINTE3}: J10.a27 U31.5
~{EXPLCSE0}: J7.a30 U29.12
~{EXPLCSE1}: J8.a30 U29.14
~{EXPLCSE2}: J9.a30 U29.16
~{EXPLCSE3}: J10.a30 U29.18
~{EXPREAD}: J7.c24 J8.c24 J9.c24 J10.c24 U30.18
~{EXPRESET}: J7.a26 J8.a26 J9.a26 J10.a26 U30.15
~{EXPUCSE0}: J7.a31 U29.11
~{EXPUCSE1}: J8.a31 U29.13
~{EXPUCSE2}: J9.a31 U29.15
~{EXPUCSE3}: J10.a31 U29.17
~{EXPWAITE0}: J7.a29 RN15.1 U32.1
~{EXPWAITE1}: J8.a29 RN15.2 U32.2
~{EXPWAITE2}: J9.a29 RN15.3 U32.4
~{EXPWAITE3}: J10.a29 RN15.4 U32.5
~{EXPWRITE}: J7.c25 J8.c25 J9.c25 J10.c25 U30.17
~{FPUCS}: U5.29 U35.199
~{FPUSENSE}: R4.2 U5.4 U35.200
~{HALT}: RN4.2 TP16.1 U4.H2 U35.131
~{IACKE0}: U31.6 U35.227
~{IACKE1}: U31.7 U35.226
~{IACKE2}: U31.8 U35.225
~{IACKE3}: U31.9 U35.223
~{IDE1CS}: P2.37 U35.34
~{IDE3CS}: P2.38 U35.33
~{IDECS}: U7.19 U8.19 U35.15
~{IDEDMAACK}: P2.29 U35.240
~{IDEDMAREQ}: P2.21 U35.236
~{IDEREADY}: P2.27 U35.210
~{IDEREAD}: P2.25 U35.239
~{IDEWRITE}: P2.23 U7.1 U8.1 U35.238
~{INTE0}: U31.18 U35.231
~{INTE1}: U31.17 U35.230
~{INTE2}: U31.16 U35.229
~{INTE3}: U31.15 U35.228
~{IPEND}: U4.E13 U35.92
~{IPL0}: RN4.5 U4.H13 U35.175
~{IPL1}: RN4.7 U4.G13 U35.184
~{IPL2}: RN4.6 U4.G12 U35.187
~{LCSE0}: U29.8 U35.215
~{LCSE1}: U29.6 U35.218
~{LCSE2}: U29.4 U35.220
~{LCSE3}: U29.2 U35.222
~{LEXP}: TP11.1 U24.19 U35.203
~{LROM}: TP13.1 U19.22 U35.28
~{MMUDIS}: J3.2 U4.F13
~{QUARTDTACK}: U2.5 U35.212
~{QUARTIACK}: U2.6 U35.237
~{QUARTIRQ}: R34.1 U2.45 U35.12
~{QUART}: U2.3 U35.13
~{RASA0}: RN2.11 TP6.1 U10.44
~{RASA1}: RN2.9 U10.45
~{RASA2}: RN1.9 U10.34
~{RASA3}: RN1.10 U10.33
~{RASB0}: RN2.12 U9.44
~{RASB1}: RN2.10 U9.45
~{RASB2}: RN1.11 U9.34
~{RASB3}: RN1.12 U9.33
~{READ}: U2.4 U19.24 U20.24 U24.1 U25.1 U30.2 U33.29 U35.207
~{RESET}: P2.1 R5.1 TP5.1 U4.F12 U5.13 U6.3 U30.5 U35.129
~{RMC}: U4.B1 U35.90
~{SIMMWE}: TP8.1 U9.47 U10.47 U11.1 U12.1 U13.1 U14.1 U35.35
~{SIMM}: TP9.1 U11.19 U12.19 U13.19 U14.19 U35.36
~{STERM}: R29.2 U4.G1 U35.193
~{UCSE0}: U29.9 U35.214
~{UCSE1}: U29.7 U35.217
~{UCSE2}: U29.5 U35.219
~{UCSE3}: U29.3 U35.221
~{UEXP}: TP12.1 U25.19 U35.204
~{UROM}: TP14.1 U20.22 U35.17
~{WAITE}: U32.6 U35.234
~{WRITE}: U2.52 U19.31 U20.31 U30.3 U33.30 U35.208
Net-(BT1-Pad1): BT1.1 U18.3
Net-(C9-Pad1): C9.1 U2.42 Y1.1
Net-(C10-Pad1): C10.1 U2.41 Y1.2
Net-(C11-Pad1): C11.1 U3.10
Net-(C11-Pad2): C11.2 U3.12
Net-(C12-Pad1): C12.1 U3.13
Net-(C12-Pad2): C12.2 U3.14
Net-(C13-Pad2): C13.2 U3.11
Net-(C14-Pad1): C14.1 U3.15
Net-(C40-Pad1): C40.1 C79.1 CON1.1 L1.1
Net-(C57-Pad2): C57.2 R18.2 U33.51 Y3.1
Net-(C58-Pad2): C58.2 R18.1 U33.50 Y3.2
Net-(C59-Pad1): C59.1 J11.R4
Net-(C60-Pad1): C60.1 J11.R5
Net-(C80-Pad1): C80.1 L1.2 U23.1
Net-(D1-Pad1): D1.1 R3.2
Net-(D2-Pad1): D2.1 P2.39
Net-(D2-Pad2): D2.2 R7.2
Net-(D3-Pad1): D3.1 R12.1
Net-(D4-Pad1): D4.1 U33.63
Net-(D4-Pad2): D4.2 R22.2
Net-(J1-Pad2): J1.2 U2.44
Net-(J1-Pad3): J1.3 U2.43
Net-(J6-Pad1): J6.1 R16.1 R32.1
Net-(J6-Pad2): J6.2 R14.1 R31.2
Net-(J6-Pad5): J6.5 R15.1 R33.1
Net-(J6-Pad6): J6.6 R13.1 R30.2
Net-(J11-PadL1): J11.L1 R24.1
Net-(J11-PadL2): J11.L2 U33.62
Net-(J11-PadL3): J11.L3 U33.61
Net-(J11-PadL4): J11.L4 R23.1
Net-(J11-PadR1): J11.R1 U33.45
Net-(J11-PadR2): J11.R2 U33.46
Net-(J11-PadR3): J11.R3 R21.1 U33.59
Net-(J11-PadR6): J11.R6 R21.2 U33.58
Net-(P1-Pad2): P1.2 U2.36
Net-(P1-Pad3): P1.3 U2.37
Net-(R2-Pad2): R2.2 SP1.1
Net-(R17-Pad2): R17.2 U33.96
Net-(R19-Pad2): R19.2 U33.77
Net-(RN1-Pad1): RN1.1 U35.79
Net-(RN1-Pad2): RN1.2 U35.78
Net-(RN1-Pad3): RN1.3 U35.75
Net-(RN1-Pad4): RN1.4 U35.74
Net-(RN1-Pad5): RN1.5 U35.73
Net-(RN1-Pad6): RN1.6 U35.72
Net-(RN1-Pad7): RN1.7 U35.71
Net-(RN1-Pad8): RN1.8 U35.70
Net-(RN2-Pad1): RN2.1 U35.68
Net-(RN2-Pad2): RN2.2 U35.67
Net-(RN2-Pad3): RN2.3 U35.66
Net-(RN2-Pad4): RN2.4 U35.65
Net-(RN2-Pad5): RN2.5 U35.64
Net-(RN2-Pad6): RN2.6 U35.63
Net-(RN2-Pad7): RN2.7 U35.62
Net-(RN2-Pad8): RN2.8 U35.61
Net-(RN3-Pad1): RN3.1 U35.102
Net-(RN3-Pad2): RN3.2 U35.101
Net-(RN3-Pad3): RN3.3 U35.100
Net-(RN3-Pad4): RN3.4 U35.99
Net-(RN3-Pad5): RN3.5 U35.98
Net-(RN3-Pad6): RN3.6 U35.97
Net-(RN3-Pad7): RN3.7 U35.95
Net-(RN3-Pad8): RN3.8 U35.94
Net-(RN10-Pad1): RN10.1 U24.18
Net-(RN10-Pad2): RN10.2 U24.17
Net-(RN10-Pad3): RN10.3 U24.16
Net-(RN10-Pad4): RN10.4 U24.15
Net-(RN10-Pad5): RN10.5 U24.14
Net-(RN10-Pad6): RN10.6 U24.13
Net-(RN10-Pad7): RN10.7 U24.12
Net-(RN10-Pad8): RN10.8 U24.11
Net-(RN11-Pad1): RN11.1 U25.18
Net-(RN11-Pad2): RN11.2 U25.17
Net-(RN11-Pad3): RN11.3 U25.16
Net-(RN11-Pad4): RN11.4 U25.15
Net-(RN11-Pad5): RN11.5 U25.14
Net-(RN11-Pad6): RN11.6 U25.13
Net-(RN11-Pad7): RN11.7 U25.12
Net-(RN11-Pad8): RN11.8 U25.11
Net-(RN12-Pad1): RN12.1 U26.18
Net-(RN12-Pad2): RN12.2 U26.17
Net-(RN12-Pad3): RN12.3 U26.16
Net-(RN12-Pad4): RN12.4 U26.15
Net-(RN12-Pad5): RN12.5 U26.14
Net-(RN12-Pad6): RN12.6 U26.13
Net-(RN12-Pad7): RN12.7 U26.12
Net-(RN12-Pad8): RN12.8 U26.11
Net-(RN13-Pad1): RN13.1 U27.18
Net-(RN13-Pad2): RN13.2 U27.17
Net-(RN13-Pad3): RN13.3 U27.16
Net-(RN13-Pad4): RN13.4 U27.15
Net-(RN13-Pad5): RN13.5 U27.14
Net-(RN13-Pad6): RN13.6 U27.13
Net-(RN13-Pad7): RN13.7 U27.12
Net-(RN13-Pad8): RN13.8 U27.11
Net-(RN14-Pad1): RN14.1 U28.18
Net-(RN14-Pad2): RN14.2 U28.17
Net-(RN14-Pad3): RN14.3 U28.16
Net-(RN14-Pad4): RN14.4 U28.15
Net-(RN14-Pad5): RN14.5 U28.14
Net-(RN14-Pad6): RN14.6 U28.13
Net-(RN14-Pad7): RN14.7 U28.12
Net-(RN14-Pad8): RN14.8 U28.11
Net-(U1-Pad9): U1.9 U34.12
Net-(U1-Pad11): U1.11 U34.1
Net-(U2-Pad7): U2.7 U3.18
Net-(U2-Pad8): U2.8 U3.4
Net-(U2-Pad19): U2.19 U3.6
Net-(U2-Pad20): U2.20 U3.5
